# Altium PCB PCB_ControlCard.PcbDoc (part 1 of 4)
Units mm, origin at the board's own origin, x right, y up, seen from the top; angles counter-clockwise.
Board outline 116 x 133 mm, 4 copper layers (Top Layer, Inner 1, Inner 2, Bottom Layer), stack 1.492 mm thick; 342 components, 234 nets, 1133 pads, 996 vias.
Unrouted connection lines stored in the file: 23.
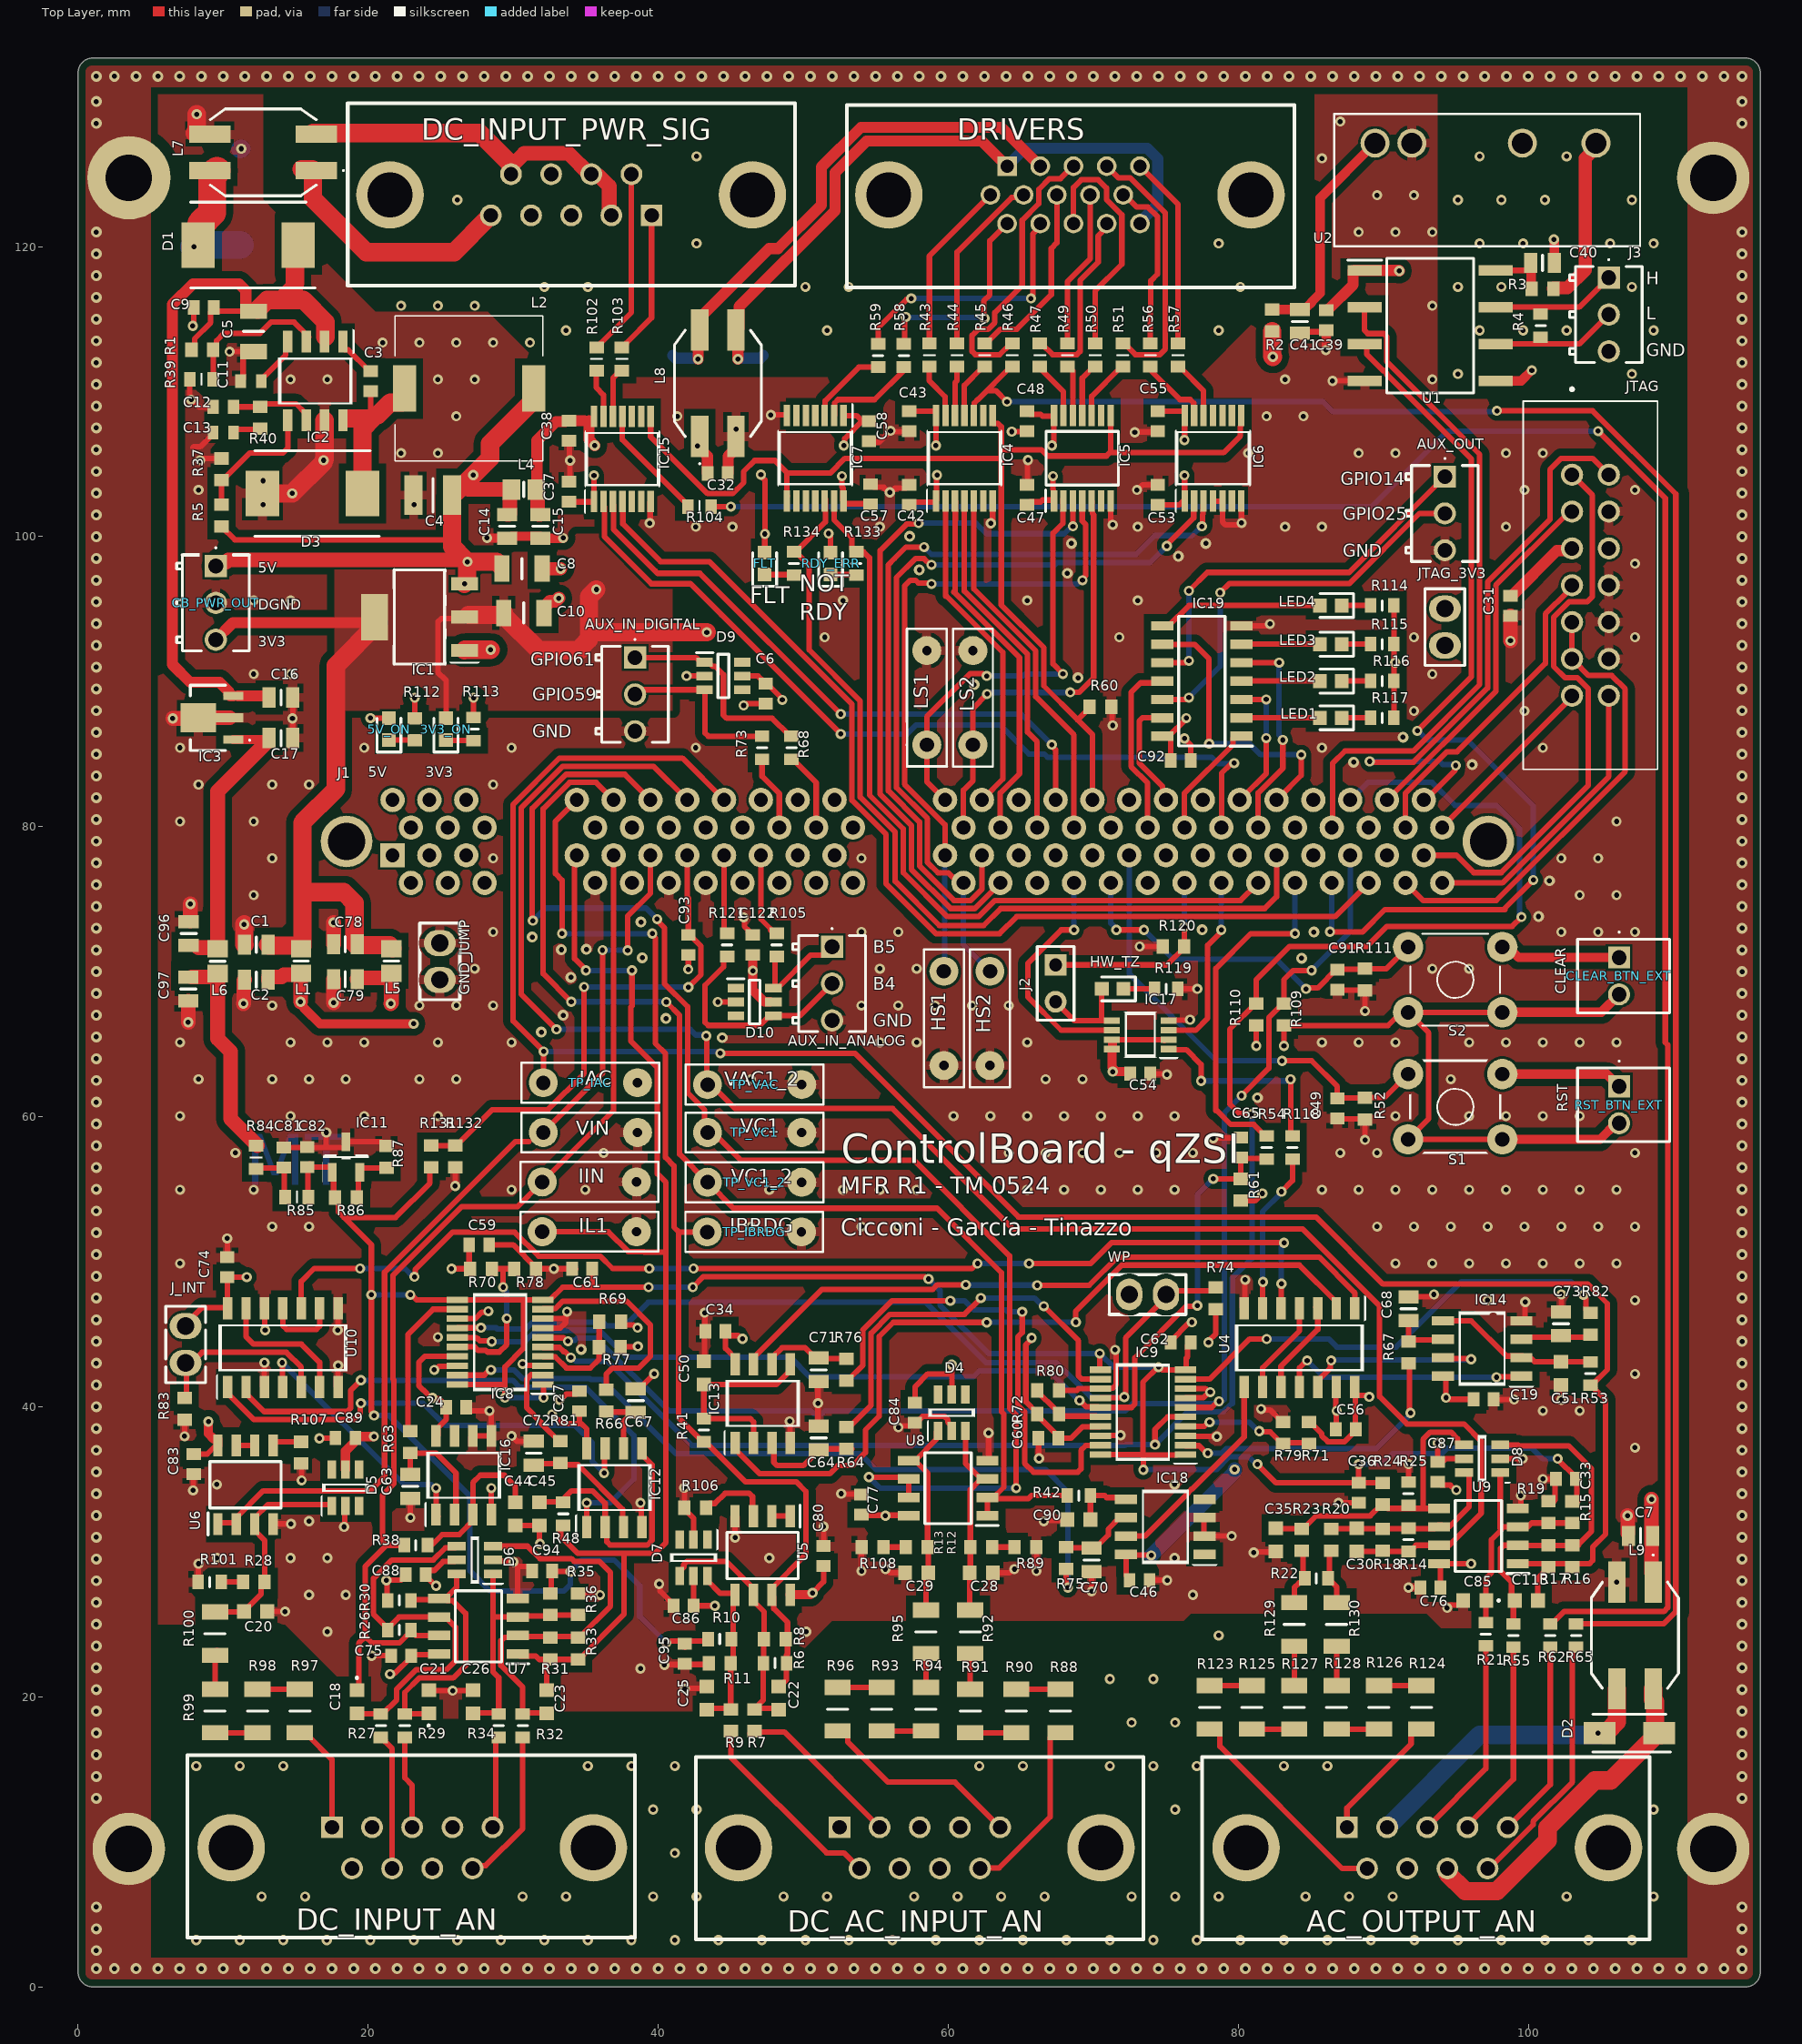
[diagram p0: Top Layer view]
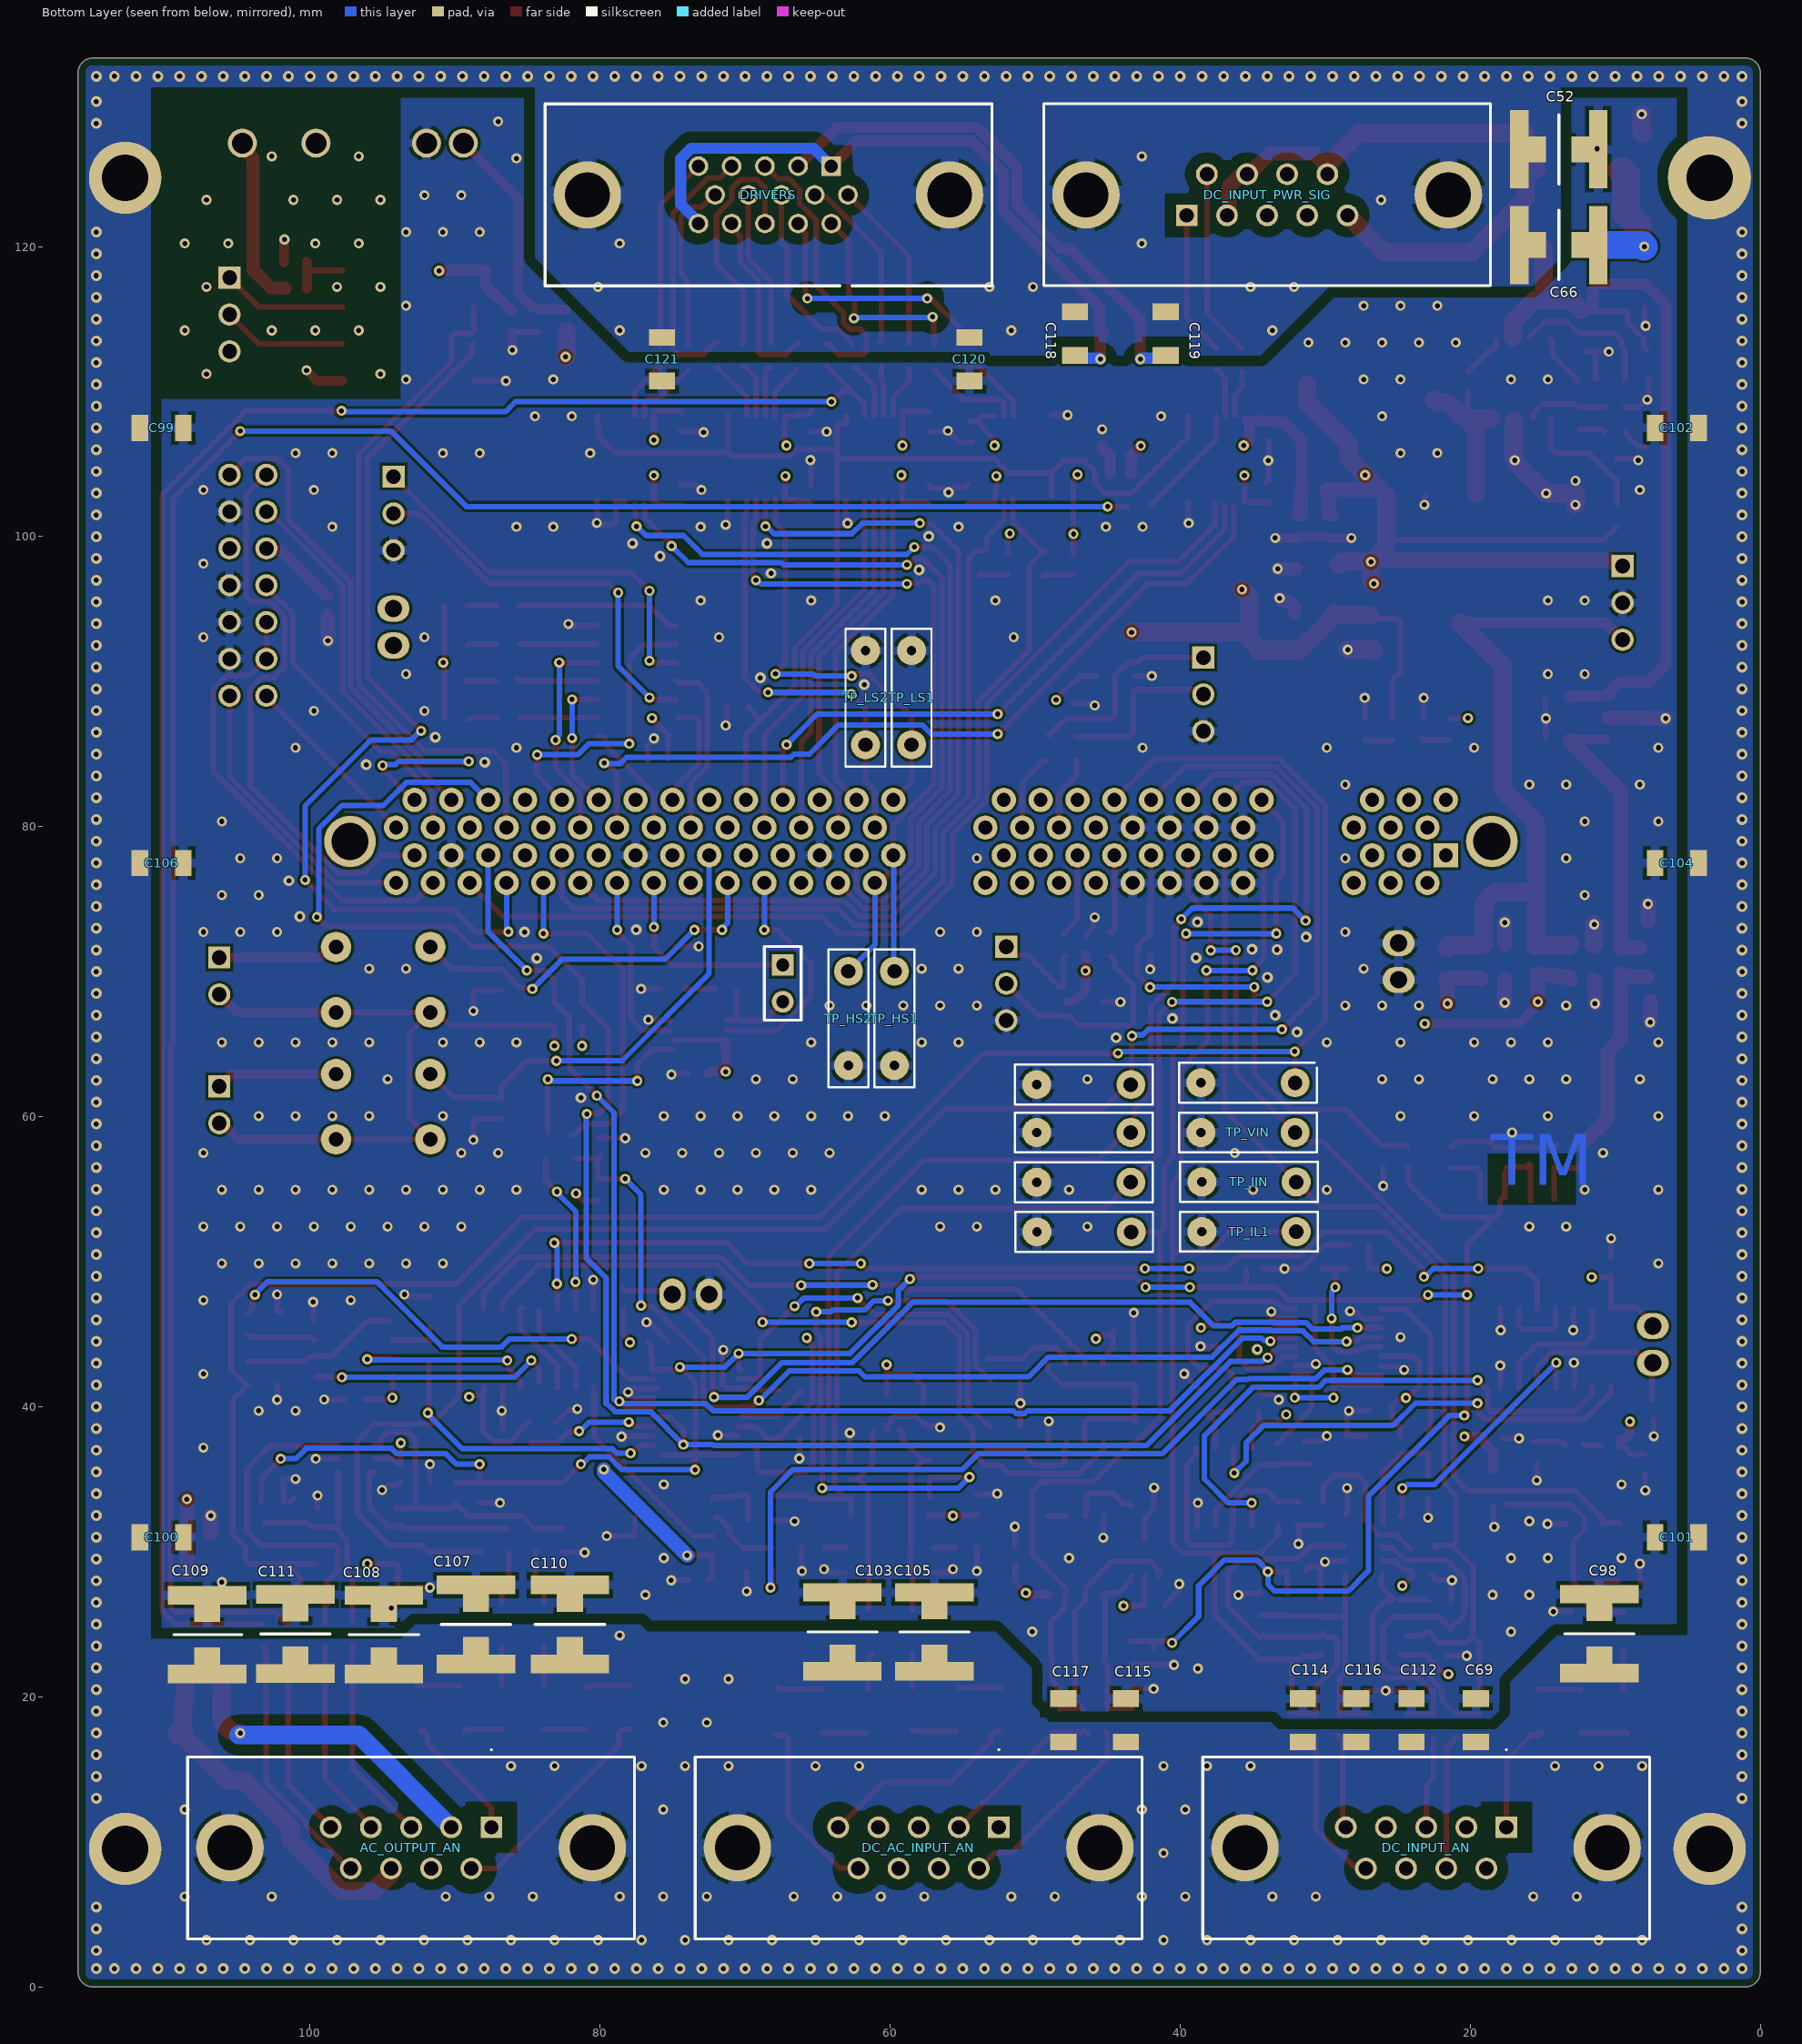
[diagram p1: Bottom Layer view, seen from below]
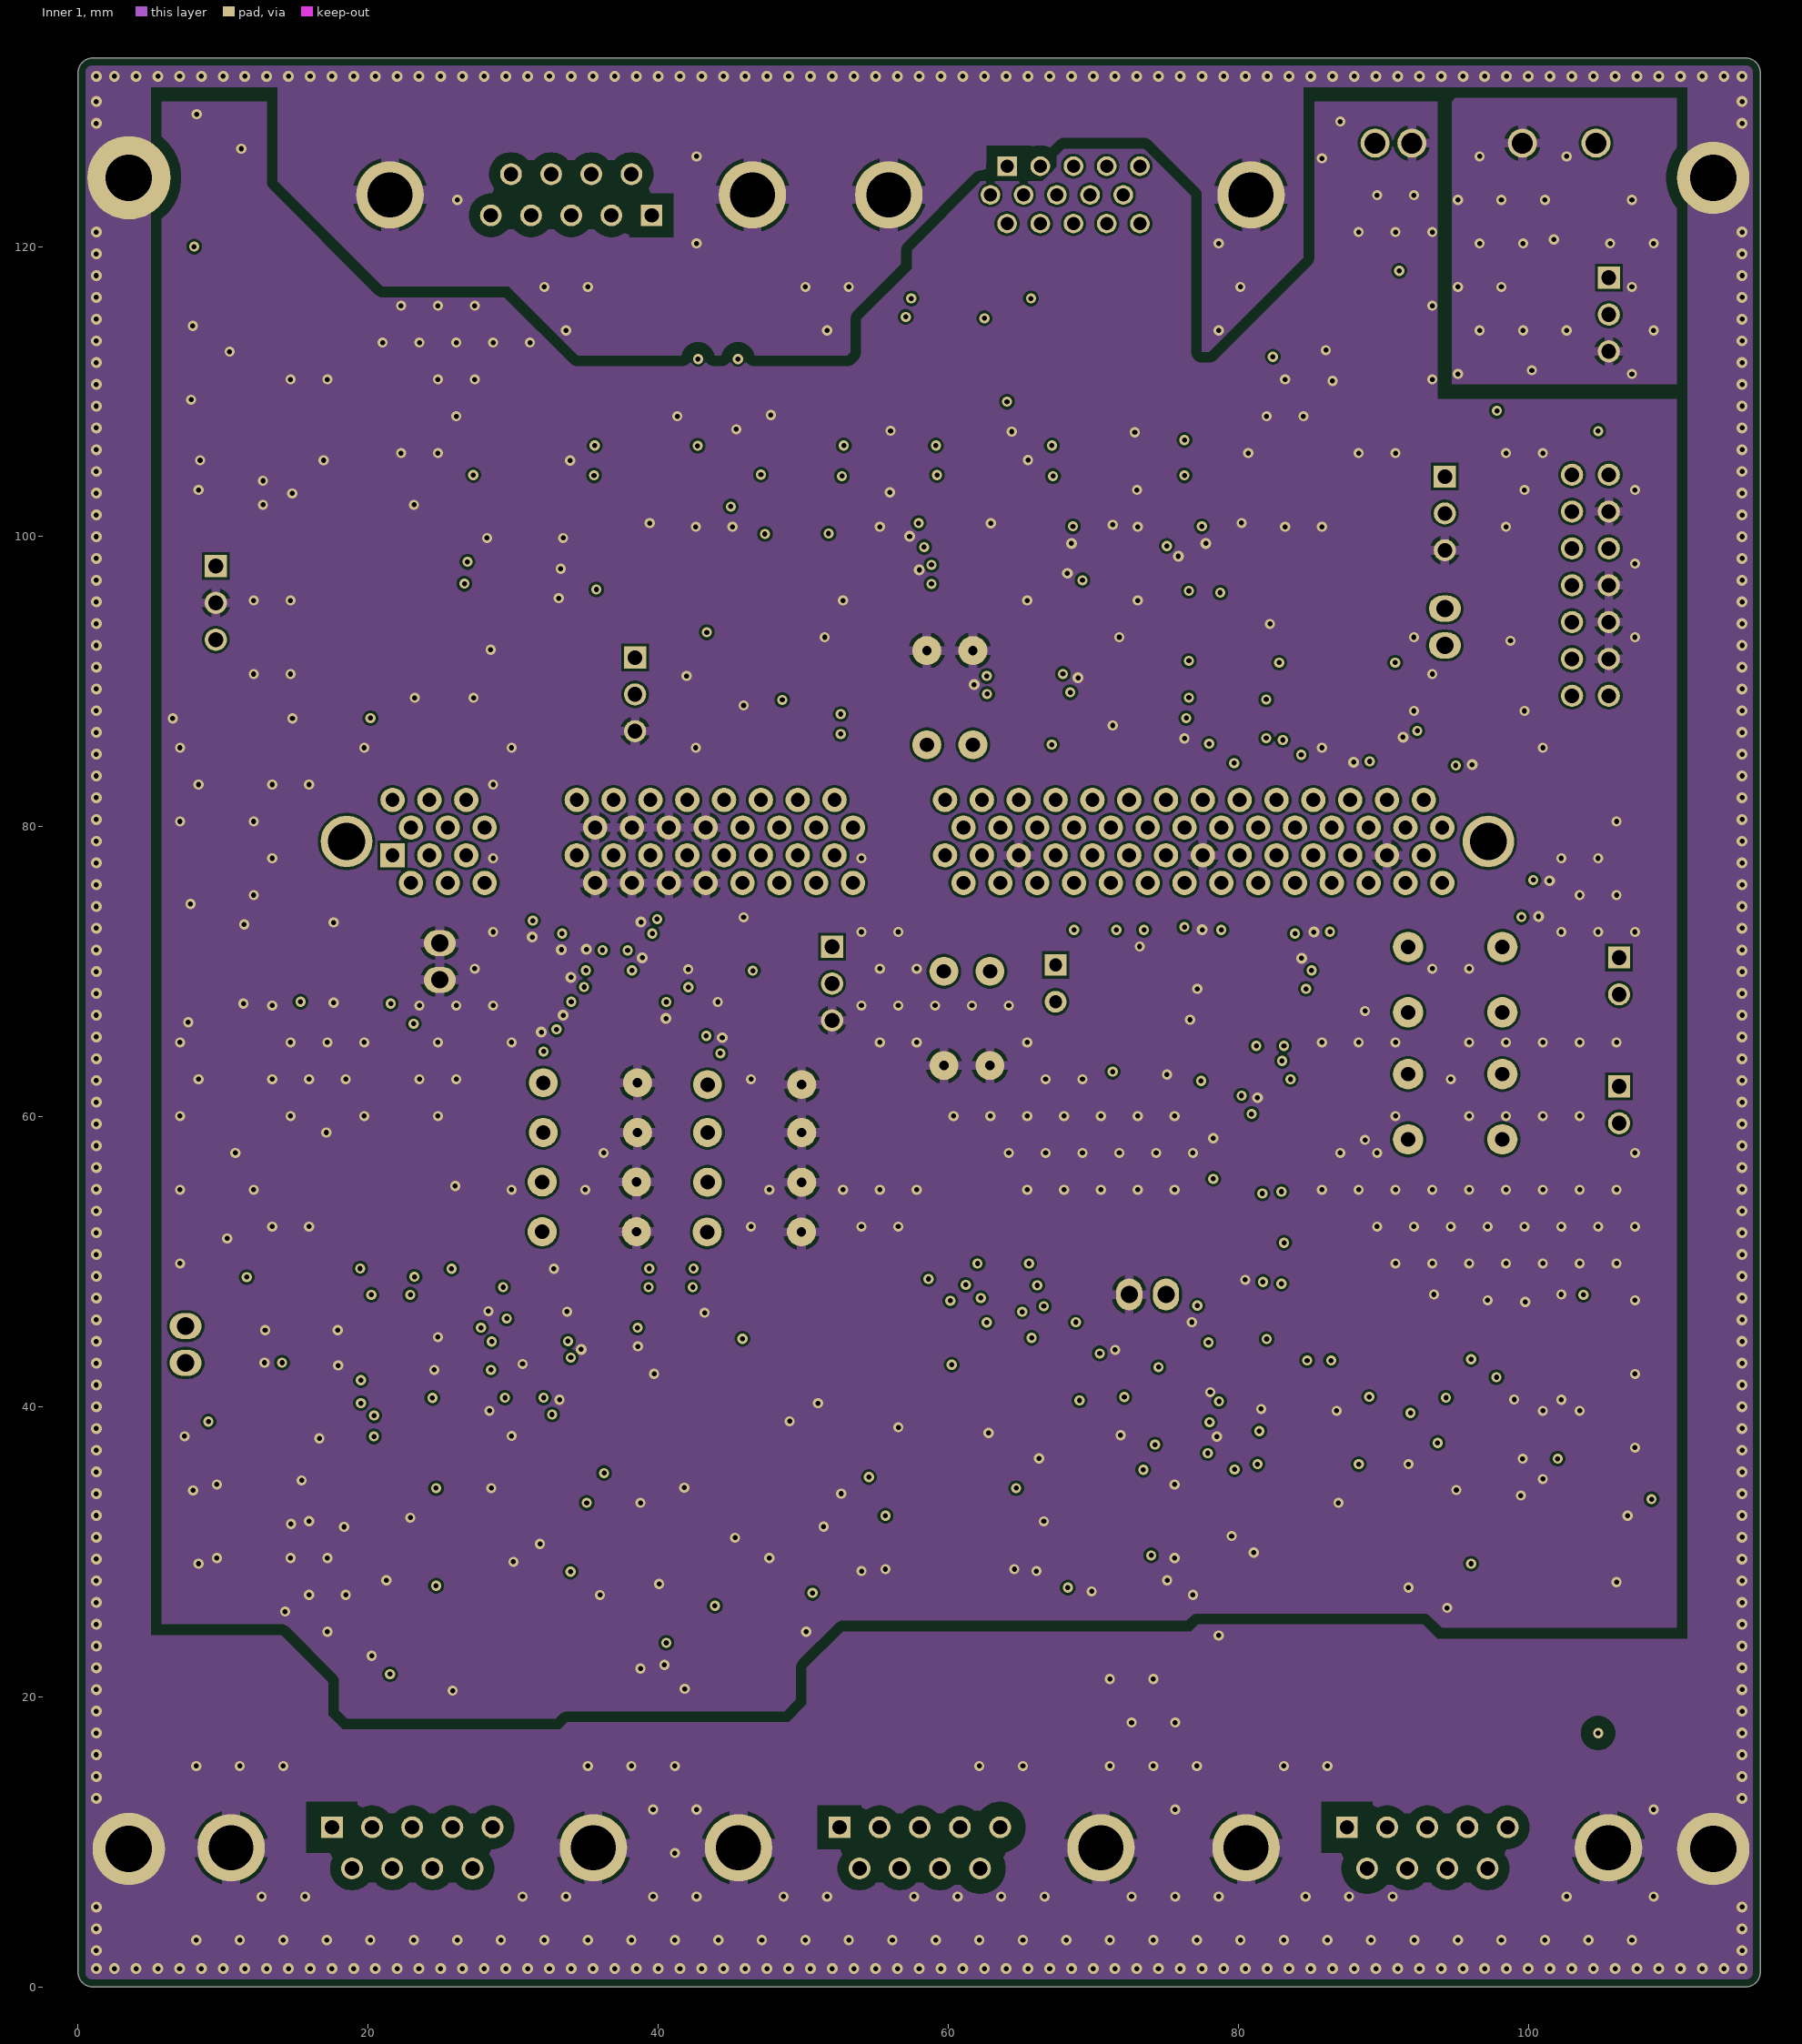
[diagram p2: Inner 1]
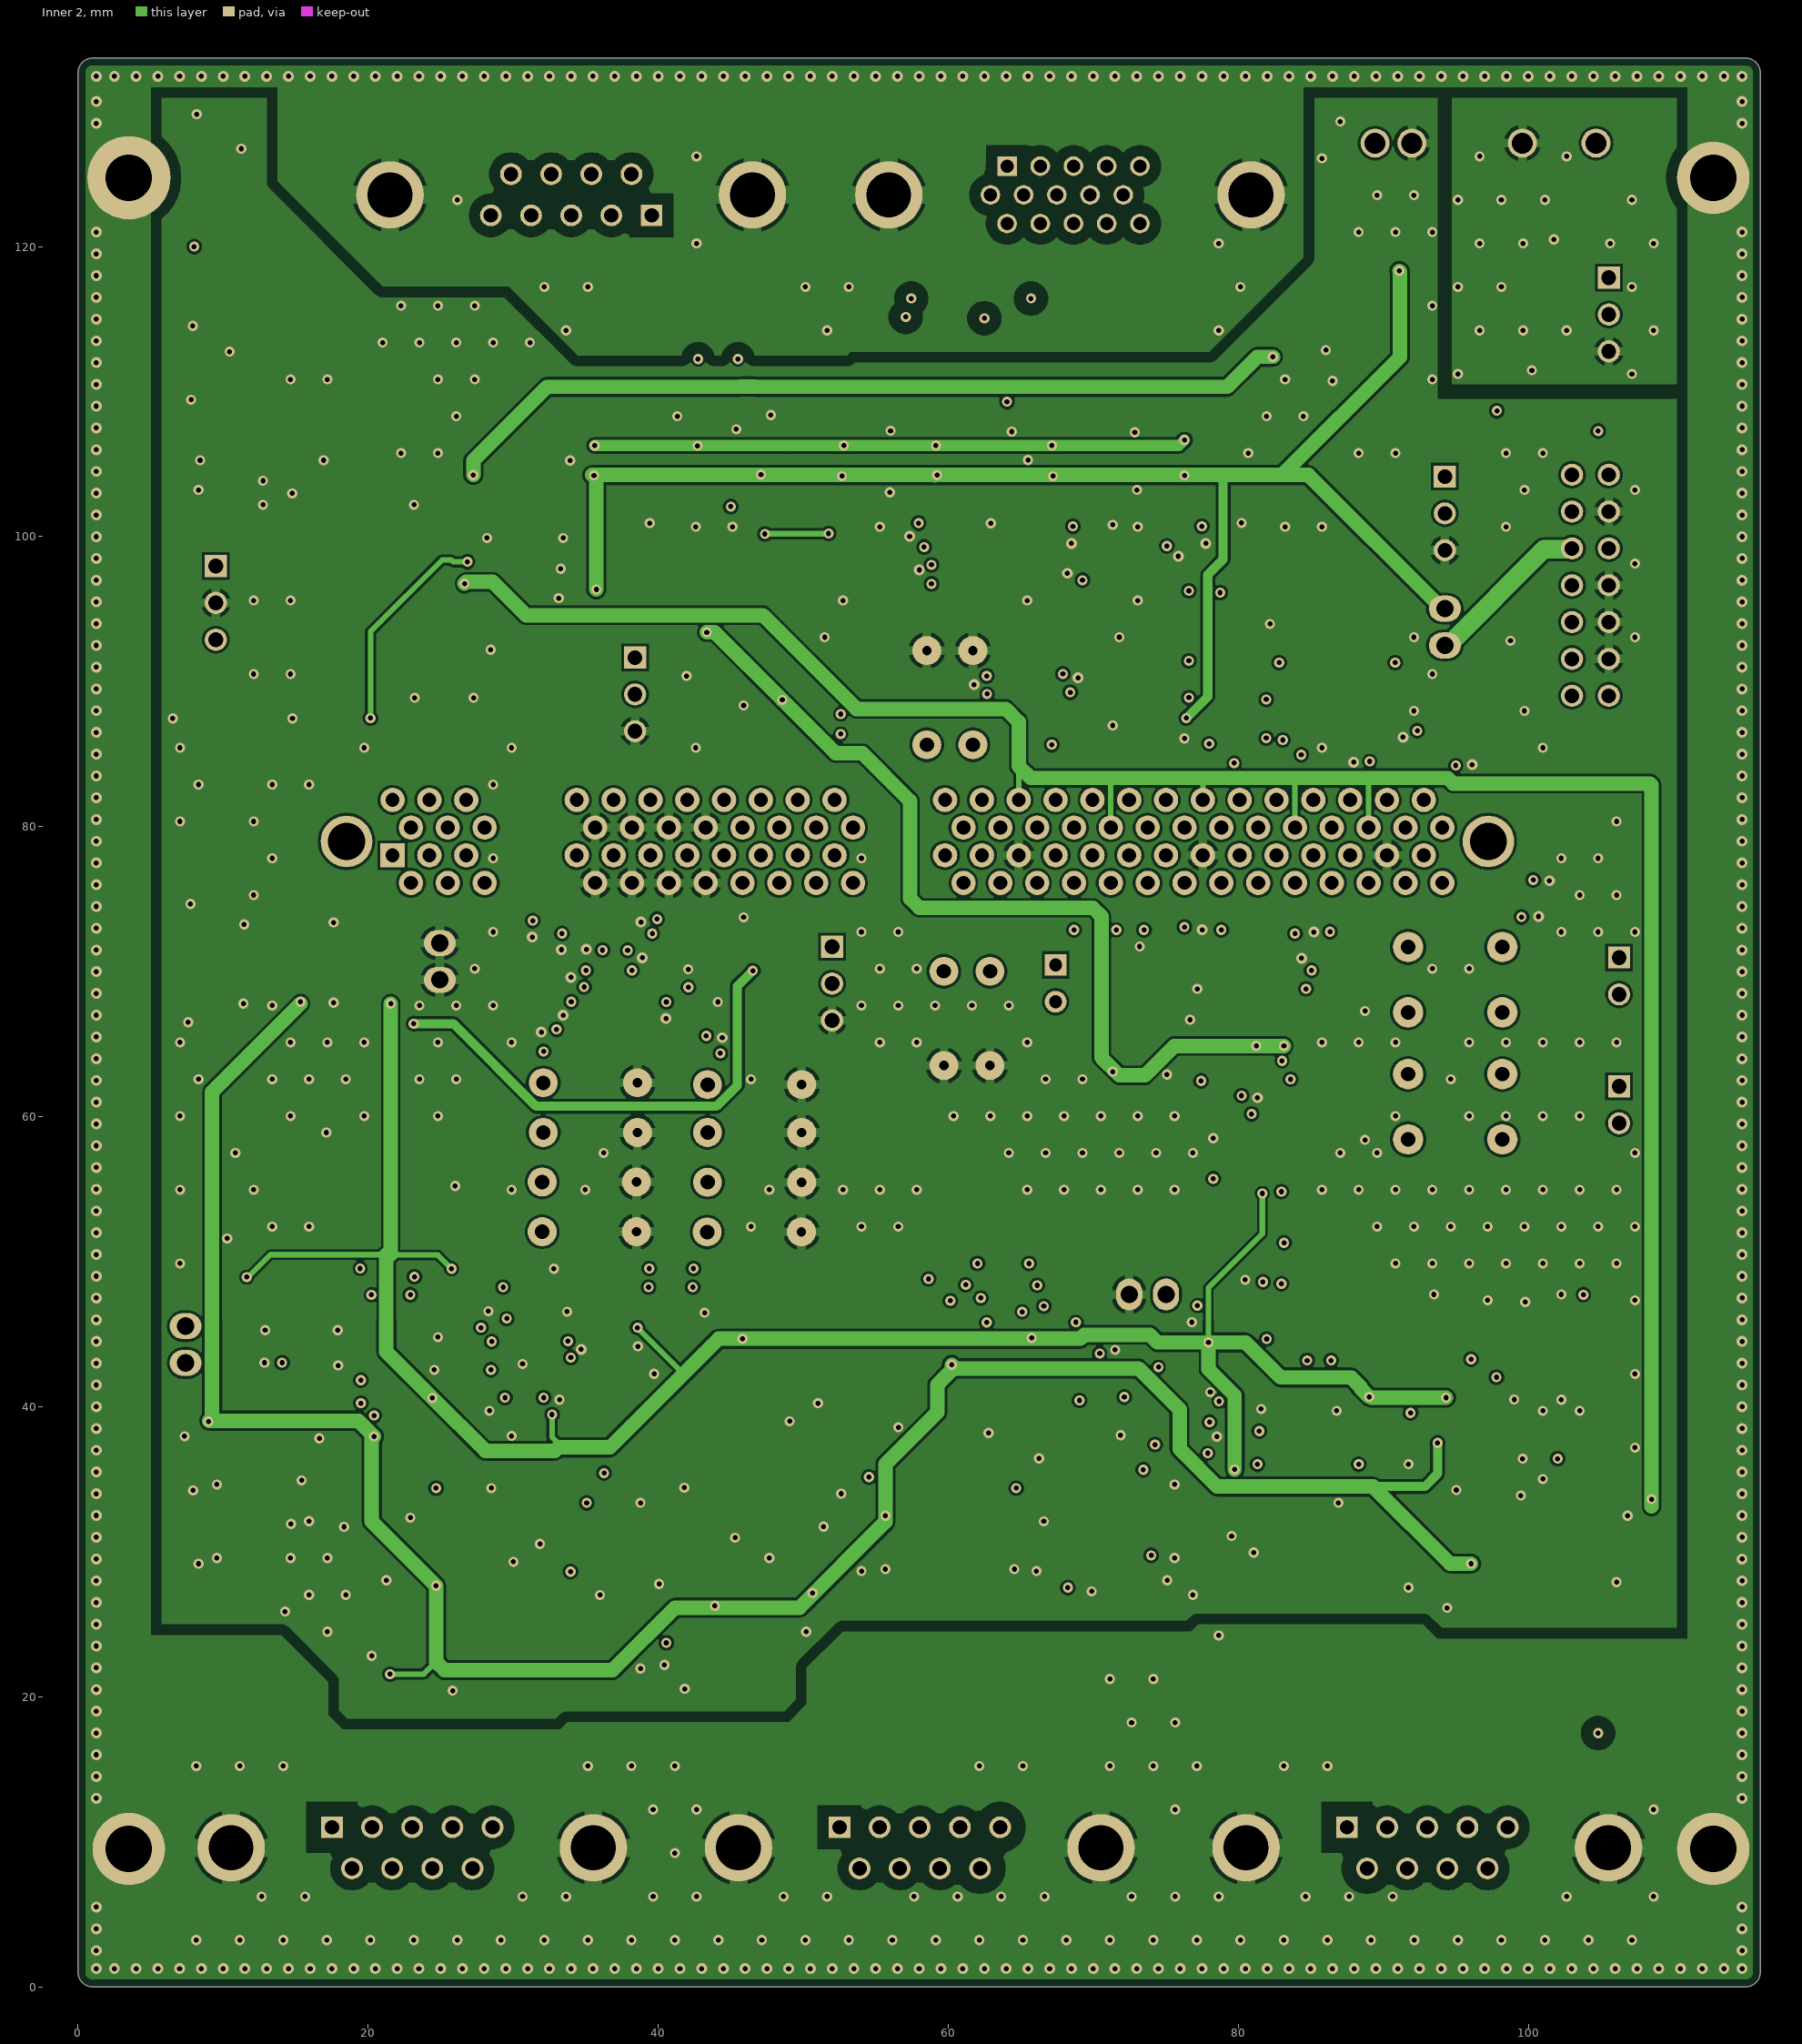
[diagram p3: Inner 2]
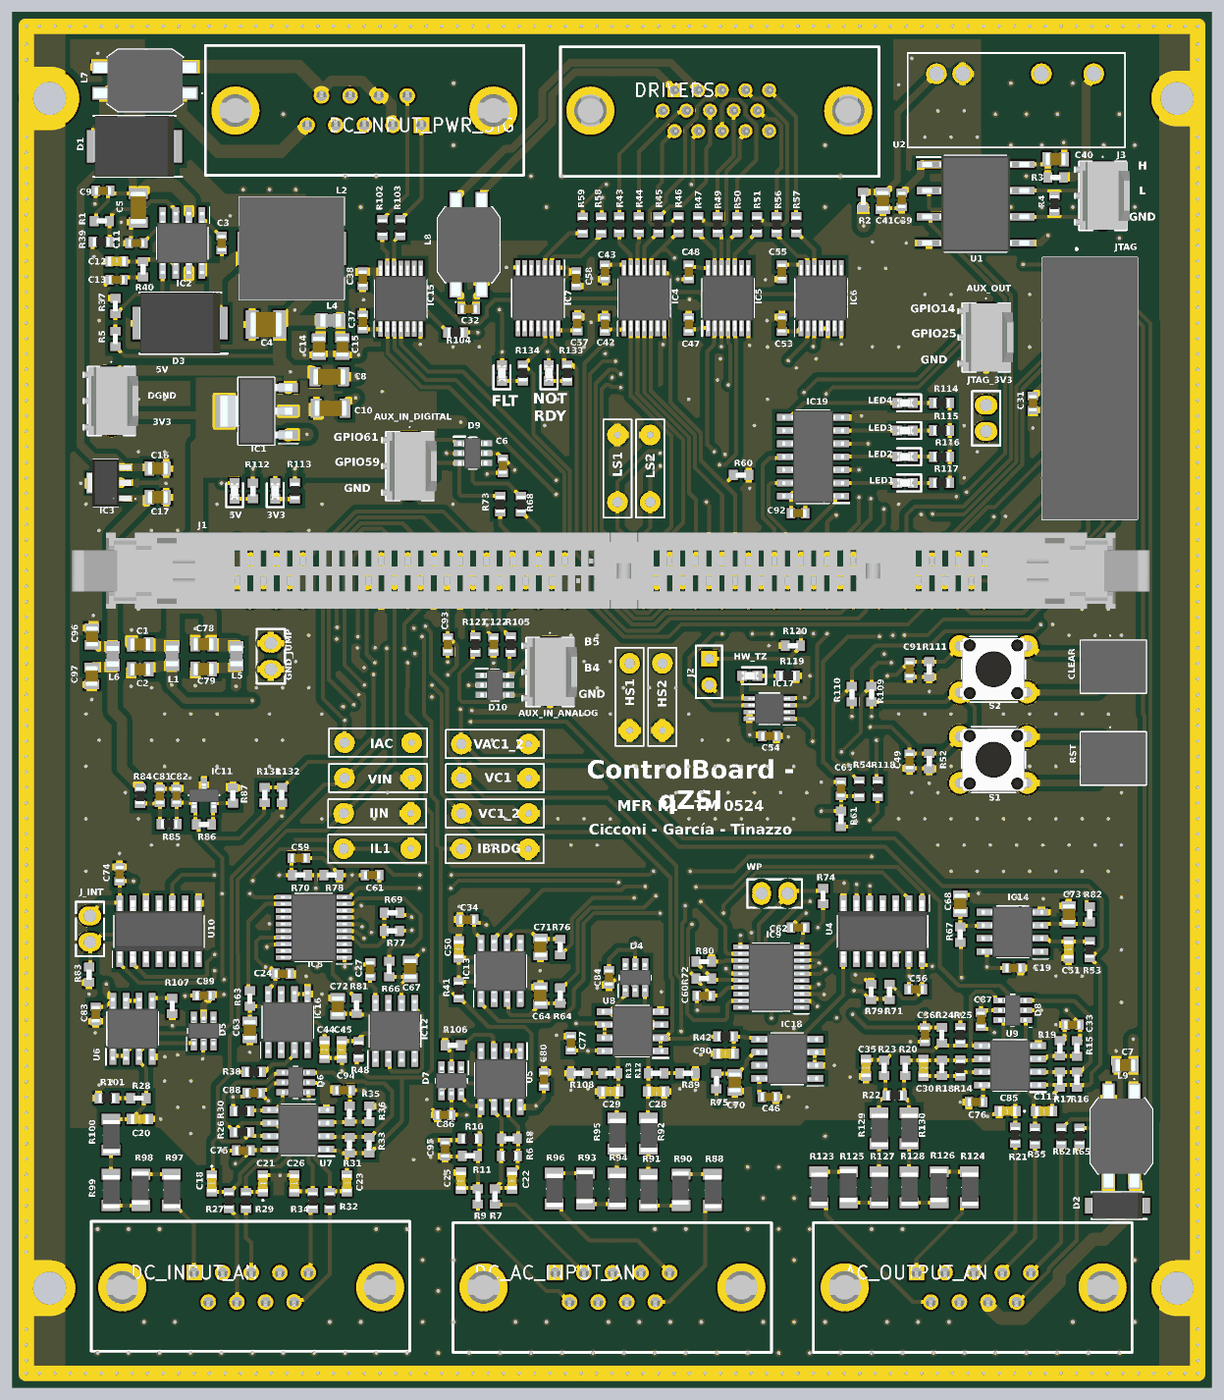
[diagram p7: 3D render of the assembled board from above, using the file's embedded part models]
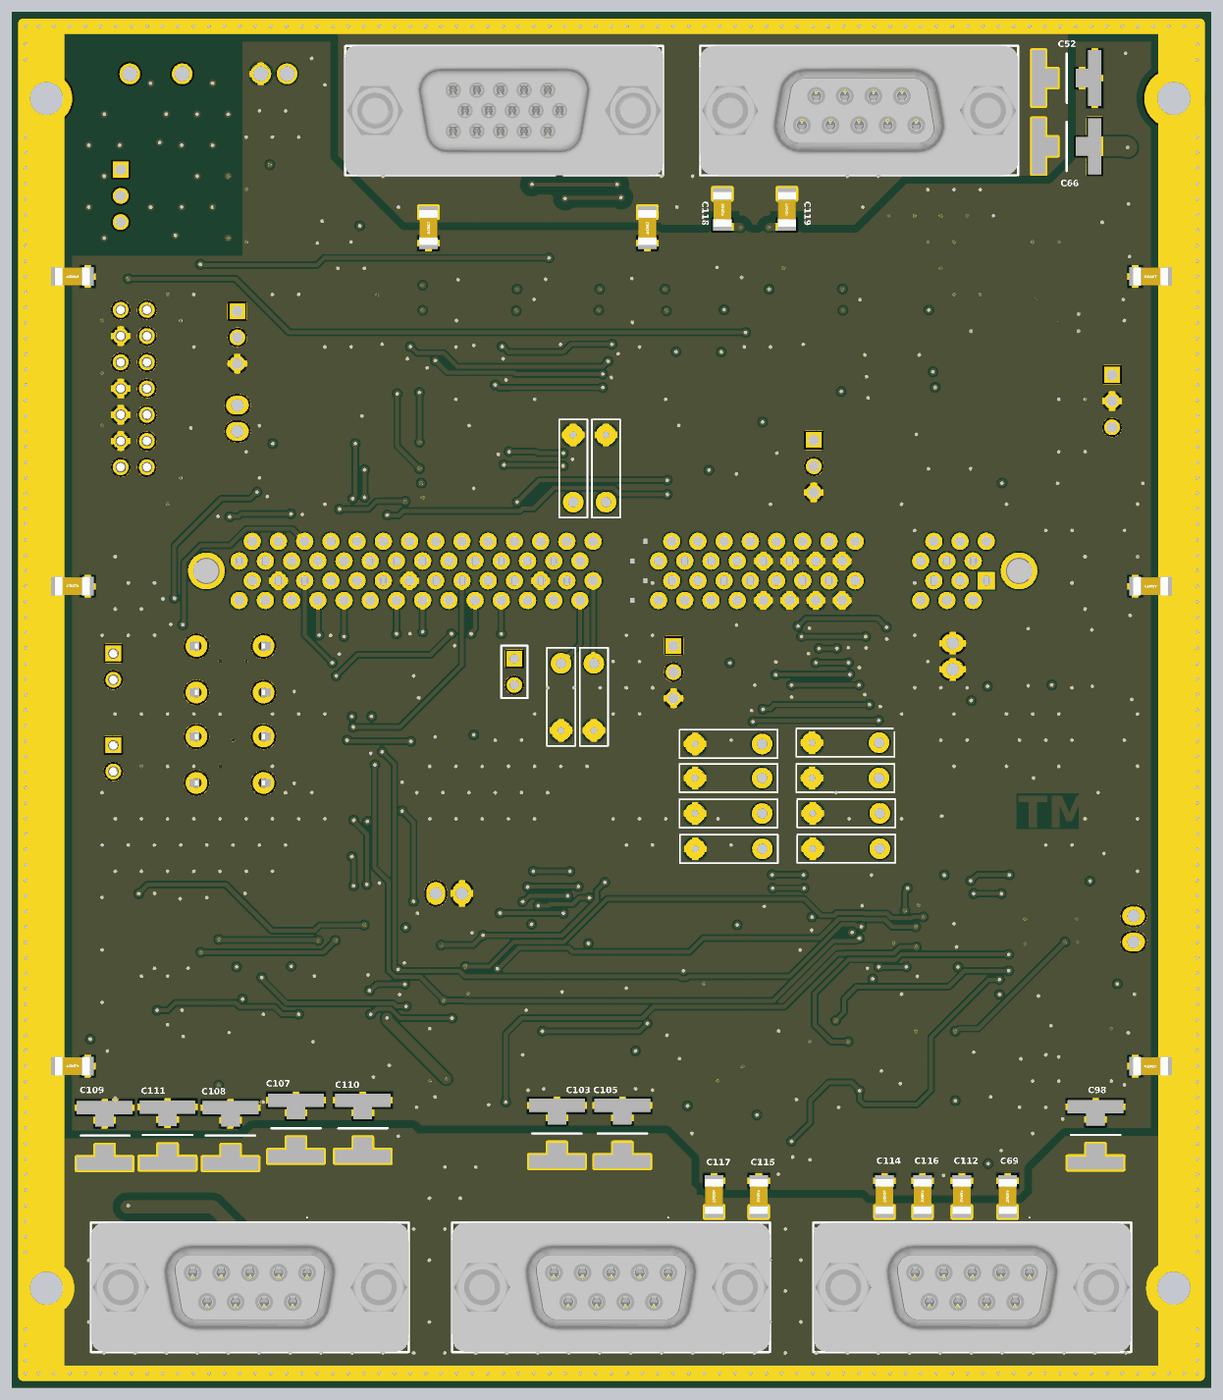
[diagram p8: 3D render of the assembled board from below, using the file's embedded part models]

## Layer stack, top to bottom
Top Solder: solder mask 0.0102, Solder Resist, Dk 3.5
Top Layer: signal copper 0.018
Dielectric 1: prepreg 0.11, PP-006, Dk 4.29
Inner 1: signal copper 0.018
Dielectric1: dielectric 1.2, FR-4, Dk 4.29
Inner 2: signal copper 0.018
Dielectric 2: prepreg 0.11, PP-006, Dk 4.29
Bottom Layer: signal copper 0.018
Bottom Solder: solder mask 0.0102, Solder Resist, Dk 3.5

## Board outline
0,1 0,132 cw(c1,132) 1,133 115,133 cw(c115,132) 116,132 116,1 cw(c115,1) 115,0 1,0 cw(c1,1)
